# Altium PCB CM4-Tower.PcbDoc (part 2 of 10) (continued)
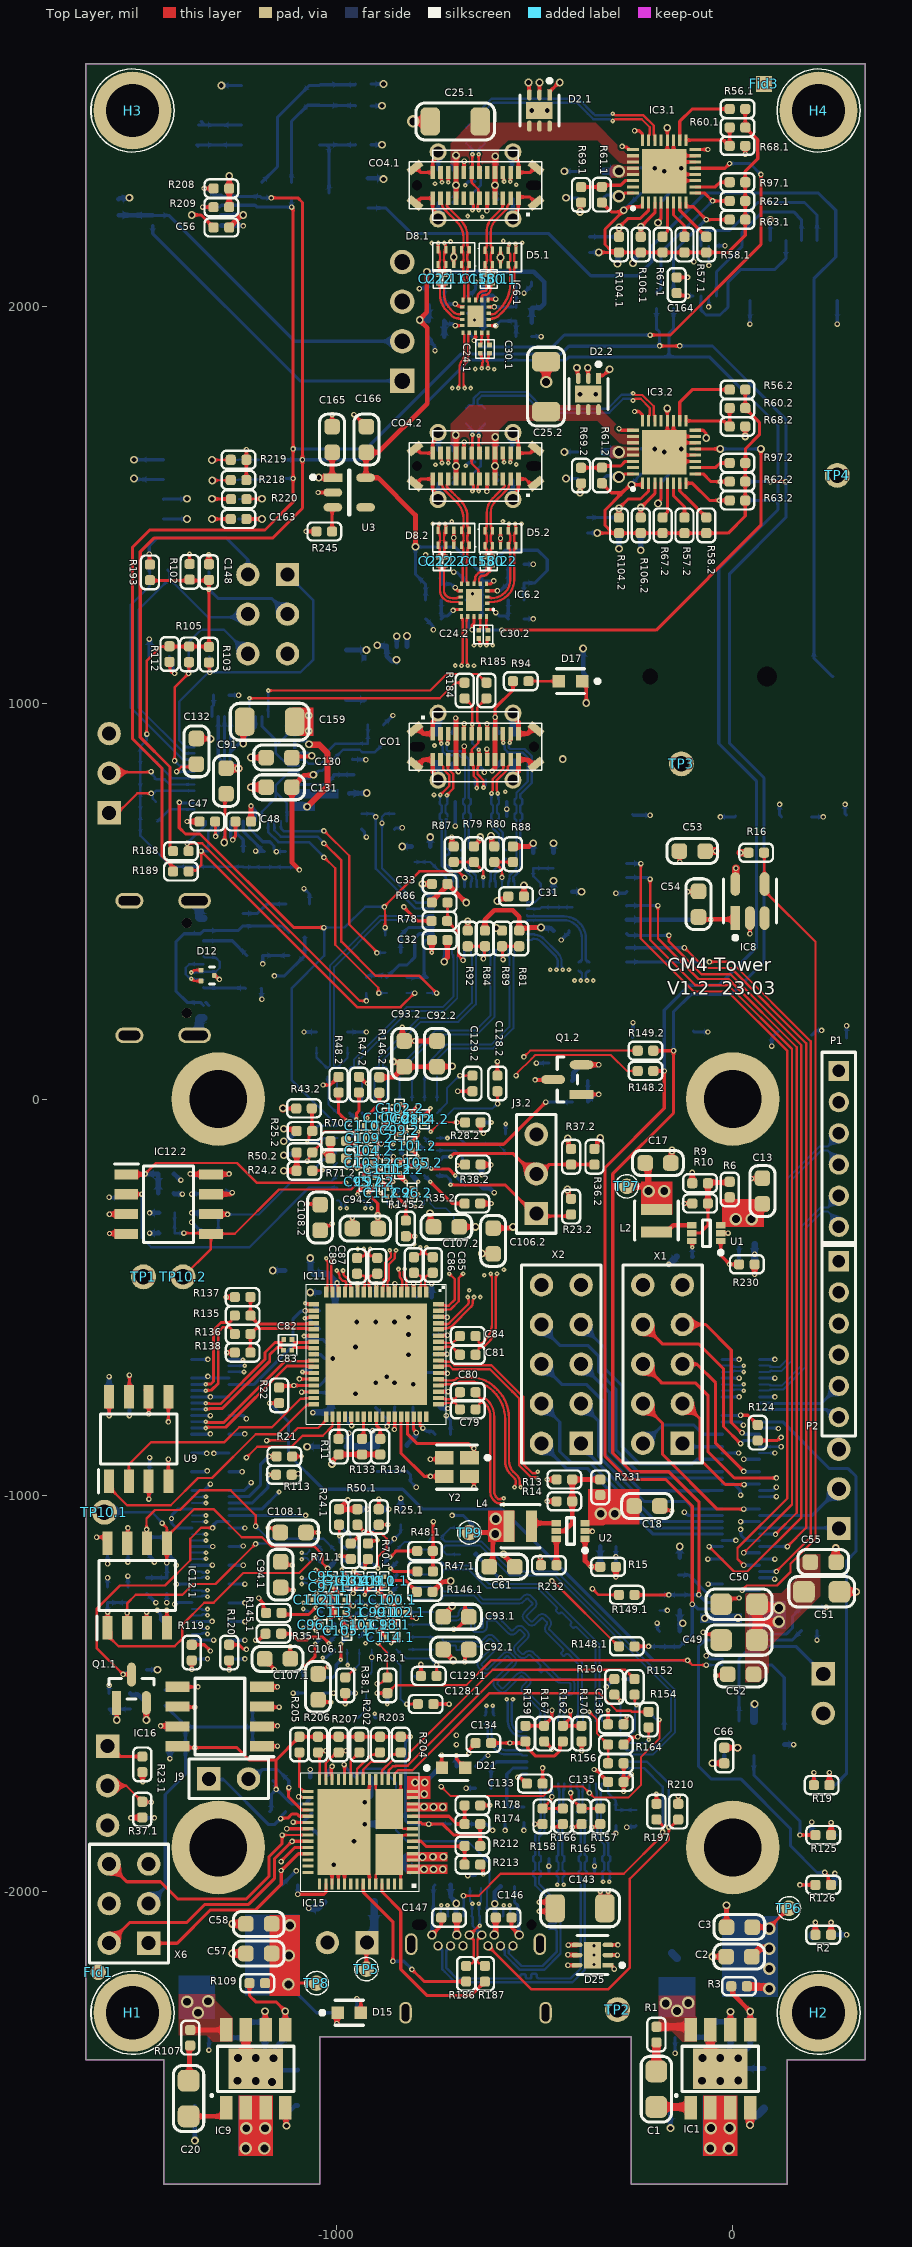
[diagram p0: Top Layer view]
## Footprints (in the part's own frame and the unit in brackets; to place one, negate y for a bottom-side part, rotate by r counter-clockwise, add the part's x,y. Pads: shape width x height; smd on the part's side, far side on the other; paste and mask are expansions set on the pad) (continued)
LED_0603 [mm] "SMD Mono-color Chip LED, body 1.6x0.8mm"
  rect 0.8x0.8 smd paste+0 mask+0: 1(-0.75,0) 2(0.75,0)
  silkscreen extent -1.85,-0.8 0.9,0.8, body extent -0.8,-0.4 0.8,0.4, height 1
NRH2410 [mm]
  rect 0.7x2 smd paste+0 mask+0: 1(-0.725,0) 2(0.725,0)
  silkscreen extent -1.25,-1.4 1.25,1.4, body extent -1.35,-1.35 1.35,1.35, height 0.25
PCF85063AT_SOIC_8 [mil]
  rect 74.98x22.36 smd paste+0 mask+0: 1(-98.46,75)
  rrect100% 74.98x22.36 smd paste+0 mask+0: 2(-98.46,25) 3(-98.46,-25) 4(-98.46,-75) 5(98.46,-75) 6(98.46,-25) 7(98.46,25) 8(98.46,75)
  silkscreen extent -163,-96 41,96, body extent -118,-96 118,96, height 69
PLS-2-3D [mm] "Connector; Header; 2 Position"
  rect 1.5x1.5 hole 0.9: 1(0,0)
  round 1.5 hole 0.9: 2(2.54,0)
  silkscreen extent -1.27,-1.27 3.81,1.27, body extent -1.27,-1.27 3.81,1.27, height 8.44
PLS-3-3D [mm] "Connector; Header; 3 Position"
  rect 1.5x1.5 hole 0.9: 1(0,0)
  round 1.5 hole 0.9: 2(2.54,0) 3(5.08,0)
  silkscreen extent -1.27,-1.27 6.35,1.27, body extent -1.27,-1.27 6.35,1.27, height 8.44
PUSB3FA2Z_DFN_2510_10 [mm]
  rect 0.2x0.475 smd: 1(-1,-0.475) 2(-0.5,-0.475) 3(0,-0.475) 4(0.5,-0.475) 5(1,-0.475) 6(1,0.475) 7(0.5,0.475) 8(0,0.475) 9(-0.5,0.475) 10(-1,0.475)
  silkscreen extent -1.6,-0.92 1.35,0.92, body extent -1.25,-0.5 1.25,0.5, height 0.5
PXD-6 [mm] "Connector; Header; 3x2 Position"
  rect 1.5x1.5 hole 0.9: 1(0,0)
  round 1.5 hole 0.9: 2(0,2.54) 3(2.54,0) 4(2.54,2.54) 5(5.08,0) 6(5.08,2.54)
  silkscreen extent -1.27,-1.27 6.35,3.81
PXD-10 [mm] "Connector; Header; 5x2 Position"
  rect 1.5x1.5 hole 0.9: 1(-5.08,-1.27)
  round 1.5 hole 0.9: 2(-5.08,1.27) 3(-2.54,-1.27) 4(-2.54,1.27) 5(0,-1.27) 6(0,1.27) 7(2.54,-1.27) 8(2.54,1.27) 9(5.08,-1.27) 10(5.08,1.27)
  silkscreen extent -6.35,-2.54 6.35,2.54
R0402#1 [mm]
  rrect50% 0.65x0.65 smd: 1(-0.52,1.54) 2(0.48,1.54)
  silkscreen extent -1.1,0.96 1.06,2.12, body extent -0.52,1.3 0.48,1.8, height 0.4
R0402#2 [mm]
  rrect50% 0.65x0.65 smd: 1(-0.5,0) 2(0.5,0)
  silkscreen extent -1.08,-0.58 1.08,0.58, body extent -0.5,-0.24 0.5,0.26, height 0.4
RT9742GGJ5_SOT_23_5 [mil]
  rect 59.83x24.74 smd paste+0 mask+0: 1(-43.04,36.99)
  rrect100% 59.83x24.74 smd paste+0 mask+0: 2(-43.04,0) 3(-43.04,-36.99) 4(43.04,-36.99) 5(43.04,36.99)
  silkscreen extent -98,-67 55,67, body extent -55,-57 55,57, height 39
SM04B [mm]
  rect 0.6x1.55 smd: 1(-1.5,-4.575) 2(-0.5,-4.575) 3(0.5,-4.575) 4(1.5,-4.575)
  rect 1.2x1.8 smd: 5(-2.8,-0.7) 5(2.8,-0.7)
  silkscreen extent -3.5,-5.5 3.5,0.3, body extent -3,-4.95 3,0, height 2.96
SN74LVC1G07DBVT_SOT_23_5 [mm]
  rect 1.505x0.572 smd paste+0 mask+0: 1(-1.1,0.95)
  rrect100% 1.505x0.572 smd paste+0 mask+0: 2(-1.1,0) 3(-1.1,-0.95) 4(1.1,-0.95) 5(1.1,0.95)
  silkscreen extent -2.65,-1.7 1.4,1.7, body extent -1.4,-1.45 1.4,1.45, height 1.45
SN74LVC3G07DCUR_VSSOP_8 [mm] "SOP, 8-Leads, Body 2.4x2.1mm, Pitch 0.5mm, IPC Medium Density"
  rrect33% 0.8x0.3 smd: 1(-1.6,0.75) 2(-1.6,0.25) 3(-1.6,-0.25) 4(-1.6,-0.75) 5(1.6,-0.75) 6(1.6,-0.25) 7(1.6,0.25) 8(1.6,0.75)
  silkscreen extent -1.72,-1.05 0.8,1.57, body extent -1.56,-1 1.56,1, height 0.9
SOIC127P600X175-8N [mm]
  rect 1.525x0.65 smd: 1(-2.712,1.905) 2(-2.712,0.635) 3(-2.712,-0.635) 4(-2.712,-1.905) 5(2.712,-1.905) 6(2.712,-0.635) 7(2.712,0.635) 8(2.712,1.905)
  silkscreen extent -3.47,-2.45 1.6,2.58, body extent -3,-2.45 3,2.45, height 1.75
SRN6045TA [mm]
  rect 2.35x5.1 smd: 1(-2.075,0) 2(2.075,0)
  silkscreen extent -3.5,-3.25 3.5,3.25, body extent -3.15,-3 3.15,3, height 4.5
SST25PF020B-80-4C-SAE_SOIC_8 [mm]
  rect 1.525x0.65 smd: 1(-2.712,1.905) 2(-2.712,0.635) 3(-2.712,-0.635) 4(-2.712,-1.905) 5(2.712,-1.905) 6(2.712,-0.635) 7(2.712,0.635) 8(2.712,1.905)
  silkscreen extent -3.47,-2.45 1.6,2.58, body extent -3,-2.45 3,2.45, height 1.75
STDP2600_BGA-81 [mm]
  round 0.45 smd: A1(-3.2,3.2) A2(-2.4,3.2) A3(-1.6,3.2) A4(-0.8,3.2) A5(0,3.2) A6(0.8,3.2) A7(1.6,3.2) A8(2.4,3.2) A9(3.2,3.2) B1(-3.2,2.4) B2(-2.4,2.4) B3(-1.6,2.4) B4(-0.8,2.4) B5(0,2.4) B6(0.8,2.4) B7(1.6,2.4) B8(2.4,2.4) B9(3.2,2.4) C1(-3.2,1.6) C2(-2.4,1.6) C3(-1.6,1.6) C4(-0.8,1.6) C5(0,1.6) C6(0.8,1.6) C7(1.6,1.6) C8(2.4,1.6) C9(3.2,1.6) D1(-3.2,0.8) D2(-2.4,0.8) D3(-1.6,0.8) D4(-0.8,0.8) D5(0,0.8) D6(0.8,0.8) D7(1.6,0.8) D8(2.4,0.8) D9(3.2,0.8) E1(-3.2,0) E2(-2.4,0) E3(-1.6,0) E4(-0.8,0) E5(0,0) E6(0.8,0) E7(1.6,0) E8(2.4,0) E9(3.2,0) F1(-3.2,-0.8) F2(-2.4,-0.8) F3(-1.6,-0.8) F4(-0.8,-0.8) F5(0,-0.8) F6(0.8,-0.8) F7(1.6,-0.8) F8(2.4,-0.8) F9(3.2,-0.8) G1(-3.2,-1.6) G2(-2.4,-1.6) G3(-1.6,-1.6) G4(-0.8,-1.6) G5(0,-1.6) G6(0.8,-1.6) G7(1.6,-1.6) G8(2.4,-1.6) G9(3.2,-1.6) H1(-3.2,-2.4) H2(-2.4,-2.4) H3(-1.6,-2.4) H4(-0.8,-2.4) H5(0,-2.4) H6(0.8,-2.4) H7(1.6,-2.4) H8(2.4,-2.4) H9(3.2,-2.4) J1(-3.2,-3.2) J2(-2.4,-3.2) J3(-1.6,-3.2) J4(-0.8,-3.2) J5(0,-3.2) J6(0.8,-3.2) J7(1.6,-3.2) J8(2.4,-3.2) J9(3.2,-3.2)
  silkscreen extent -4.3,-4 4,4.3, body extent -4,-4 4,4, height 1.4
TP_1MM [mm]
  round 1.6 hole 1: 1(0,0)
  body extent -1.27,-1.27 1.27,1.27, height 4.89
TP_1mm_SMD [mm]
  round 1 smd paste-1: 1(0,0)
  silkscreen extent -0.75,-0.75 0.75,0.75
TPD2EUSB30DRTR_SOT-3 [mm]
  rrect33% 0.3x0.3 smd: 1(-0.425,0.35) 2(-0.425,-0.35) 3(0.425,0)
  silkscreen extent 0.13,-0.55 0.43,0.55, body extent -0.5,-0.5 0.5,0.5, height 0.5
TPS7A20_SOT_23_5 [mm]
  rect 1.205x0.532 smd paste+0 mask+0: 1(-1.05,0.95)
  rrect100% 1.205x0.532 smd paste+0 mask+0: 2(-1.05,0) 3(-1.05,-0.95) 4(1.05,-0.95) 5(1.05,0.95)
  silkscreen extent -2.45,-1.45 0.05,1.45, body extent -1.75,-1.55 1.75,1.55, height 0.25
TPS25814RSMR_VQFN_32 [mm]
  rect 0.75x0.2 smd: 1(-2,1.4) 2(-2,1) 3(-2,0.6) 4(-2,0.2) 5(-2,-0.2) 6(-2,-0.6) 7(-2,-1) 8(-2,-1.4) 17(2,-1.4) 18(2,-1) 19(2,-0.6) 20(2,-0.2) 21(2,0.2) 22(2,0.6) 23(2,1) 24(2,1.4)
  rect 0.2x0.75 smd: 9(-1.4,-2) 10(-1,-2) 11(-0.6,-2) 12(-0.2,-2) 13(0.2,-2) 14(0.6,-2) 15(1,-2) 16(1.4,-2) 25(1.4,2) 26(1,2) 27(0.6,2) 28(0.2,2) 29(-0.2,2) 30(-0.6,2) 31(-1,2) 32(-1.4,2)
  rect 2.85x2.85 smd: 33(0,0)
  silkscreen extent -2.47,1.9 -2.28,2.1, body extent -2,-2 2,2, height 1
TPS65987D_VQFN-56 [mm]
  rect 0.7x0.2 smd: 1(-3.35,2.6) 2(-3.35,2.2) 3(-3.35,1.8) 4(-3.35,1.4) 5(-3.35,1) 6(-3.35,0.6) 7(-3.35,0.2) 8(-3.35,-0.2) 9(-3.35,-0.6) 10(-3.35,-1) 11(-3.35,-1.4) 12(-3.35,-1.8) 13(-3.35,-2.2) 14(-3.35,-2.6) 29(3.35,-2.6) 30(3.35,-2.2) 31(3.35,-1.8) 32(3.35,-1.4) 33(3.35,-1) 34(3.35,-0.6) 35(3.35,-0.2) 36(3.35,0.2) 37(3.35,0.6) 38(3.35,1) 39(3.35,1.4) 40(3.35,1.8) 41(3.35,2.2) 42(3.35,2.6)
  rect 0.2x0.7 smd: 15(-2.6,-3.35) 16(-2.2,-3.35) 17(-1.8,-3.35) 18(-1.4,-3.35) 19(-1,-3.35) 20(-0.6,-3.35) 21(-0.2,-3.35) 22(0.2,-3.35) 23(0.6,-3.35) 24(1,-3.35) 25(1.4,-3.35) 26(1.8,-3.35) 27(2.2,-3.35) 28(2.6,-3.35) 43(2.6,3.35) 44(2.2,3.35) 45(1.8,3.35) 46(1.4,3.35) 47(1,3.35) 48(0.6,3.35) 49(0.2,3.35) 50(-0.2,3.35) 51(-0.6,3.35) 52(-1,3.35) 53(-1.4,3.35) 54(-1.8,3.35) 55(-2.2,3.35) 56(-2.6,3.35)
  rect 1.75x2.6 smd: 57(-1.875,1.45)
  rect 1.75x2.55 smd: 58(-1.875,-1.475)
  rect 3.4x5.5 smd: 59(1.05,0)
  Top Layer region: -3,-1.9 -3.2,-1.9 -3.2,-1.3 -3,-1.3
  Top Layer region: -3,-2.7 -3.2,-2.7 -3.2,-2.1 -3,-2.1
  Top Layer region: -3,1.3 -3.2,1.3 -3.2,1.9 -3,1.9
  Top Layer region: -3,2.1 -3.2,2.1 -3.2,2.7 -3,2.7
  silkscreen extent -3.8,-3.8 3.8,3.8, body extent -3.5,-3.5 3.5,3.5, height 1
TUSB542_X2QFN_18 [mm]
  rect 0.3x0.2 smd: 1(-0.85,0.6) 2(-0.85,0.2) 3(-0.85,-0.2) 4(-0.85,-0.6) 10(0.85,-0.6) 11(0.85,-0.2) 12(0.85,0.2) 13(0.85,0.6)
  rect 0.2x0.3 smd: 5(-0.8,-1.05) 6(-0.4,-1.05) 7(0,-1.05) 8(0.4,-1.05) 9(0.8,-1.05) 14(0.8,1.05) 15(0.4,1.05) 16(0,1.05) 17(-0.4,1.05) 18(-0.8,1.05)
  rect 1x1.4 smd: 19(0,0)
  silkscreen extent -1.26,0.59 -1.22,0.63, body extent -1,-1.2 1,1.2, height 0.41
TUSB1046_WQFN_40 [mm]
  rect 0.8x0.2 smd: 1(-3,1.4) 2(-3,1) 3(-3,0.6) 4(-3,0.2) 5(-3,-0.2) 6(-3,-0.6) 7(-3,-1) 8(-3,-1.4) 21(3,-1.4) 22(3,-1) 23(3,-0.6) 24(3,-0.2) 25(3,0.2) 26(3,0.6) 27(3,1) 28(3,1.4)
  rect 0.2x0.8 smd: 9(-2.2,-2) 10(-1.8,-2) 11(-1.4,-2) 12(-1,-2) 13(-0.6,-2) 14(-0.2,-2) 15(0.2,-2) 16(0.6,-2) 17(1,-2) 18(1.4,-2) 19(1.8,-2) 20(2.2,-2) 29(2.2,2) 30(1.8,2) 31(1.4,2) 32(1,2) 33(0.6,2) 34(0.2,2) 35(-0.2,2) 36(-0.6,2) 37(-1,2) 38(-1.4,2) 39(-1.8,2) 40(-2.2,2)
  rect 4.8x2.8 smd: 41(0,0)
  silkscreen extent -3.5,1.9 -3.3,2.1, body extent -3,-2 3,2, height 0.8
TVS2200D_SON_6 [mm]
  rect 0.711x0.292 smd paste+0 mask+0: 1(-1.001,0.65)
  rrect100% 0.711x0.292 smd paste+0 mask+0: 2(-1.001,0) 3(-1.001,-0.65) 4(1.001,-0.65) 5(1.001,0) 6(1.001,0.65)
  rect 1.1x1.7 smd paste-1000 mask+0: 7(0,0)
  silkscreen extent -2.03,-1.25 1,1.25, body extent -1.61,-1.25 1.61,1.25, height 0.25
USB4056-03-A [mm]
  rect 0.3x0.9 smd: 1(-2.75,6.2) 2(-2.25,6.2) 3(-1.75,6.2) 4(-1.25,6.2) 5(-0.75,6.2) 6(-0.25,6.2) 7(0.25,6.2) 8(0.75,6.2) 9(1.25,6.2) 10(1.75,6.2) 11(2.25,6.2) 12(2.75,6.2)
  round 0.6 hole 0.4: 21(2.8,4.99) 22(2.4,4.29) 23(1.6,4.29) 24(1.2,4.99) 25(0.8,4.29) 26(0.4,4.99) 27(-0.4,4.99) 28(-0.8,4.29) 29(-1.2,4.99) 30(-1.6,4.29) 31(-2.4,4.29) 32(-2.8,4.99)
  round 0 hole 0.65 unplated: HOLE(-3.6,5.64)
  round 0 hole 0.65 slot 0.95 at 0 deg unplated: HOLE(3.6,5.64)
  oval 0.8x1.4 hole 0.5 slot 1.1 at 90 deg: SH(-4.49,0) SH(-4.13,4.4) SH(4.13,4.4) SH(4.49,0)
  silkscreen extent -5,-1.55 5,7.4, body extent -4.91,-2.53 4.94,7.34, height 3.33
USB4070-30-C [mm]
  round 0 hole 0.58 slot 1 at 0 deg unplated mask+0: 0(-3.75,0)
  round 0 hole 0.66 unplated mask+0: 0(3.75,0)
  rect 0.3x0.85 smd: 1(-2.75,0.83) 2(-2.25,0.83) 3(-1.75,0.83) 4(-1.25,0.83) 5(-0.75,0.83) 6(-0.25,0.83) 7(0.25,0.83) 8(0.75,0.83) 9(1.25,0.83) 10(1.75,0.83) 11(2.25,0.83) 12(2.75,0.83) 21(2.75,-0.83) 22(2.25,-0.83) 23(1.75,-0.83) 24(1.25,-0.83) 25(0.75,-0.83) 26(0.25,-0.83) 27(-0.25,-0.83) 28(-0.75,-0.83) 29(-1.25,-0.83) 30(-1.75,-0.83) 31(-2.25,-0.83) 32(-2.75,-0.83)
  rect 0.5x1.03 smd rot 50: SH(-3.88,-1.135) SH(3.88,1.135)
  rect 0.5x1.03 smd rot 130: SH(-3.88,1.135) SH(3.88,-1.135)
  round 1.1 hole 0.7: SH(-2.4,-2.15) SH(-2.4,2.15) SH(2.4,-2.15) SH(2.4,2.15)
  silkscreen extent -4.25,-2.25 4.25,2.25, body extent -4.44,-2.27 4.43,2.28, height 10.54
USB4105-GF-A [mm] "USB TYPE C VERTICAL PLUG"
  rect 0.6x1.14 smd: A1/B12(-3.2,3.605) A4/B9(-2.4,3.605) A9/B4(2.4,3.605) A12/B1(3.2,3.605)
  rect 0.3x1.14 smd: A5(-1.25,3.605) A6(-0.25,3.605) A7(0.25,3.605) A8(1.25,3.605) B5(1.75,3.605) B6(0.75,3.605) B7(-0.75,3.605) B8(-1.75,3.605)
  round 0.65 hole 0.65 unplated: MH1(-2.89,2.535) MH2(2.89,2.535)
  oval 1x1.8 hole 0.6 slot 1.4 at 90 deg: Shell(-4.32,-1.145) Shell(4.32,-1.145)
  oval 1x2.1 hole 0.6 slot 1.7 at 90 deg: Shell(-4.32,3.035) Shell(4.32,3.035)
  silkscreen extent -4.47,-3.76 4.47,1.7, body extent -4.79,-3.76 4.79,3.95, height 3.33
VL805-Q6_QFN-68G [mm]
  rect 0.69x0.28 smd: 1(-4,3.2) 2(-4,2.8) 3(-4,2.4) 4(-4,2) 5(-4,1.6) 6(-4,1.2) 7(-4,0.8) 8(-4,0.4) 9(-4,0) 10(-4,-0.4) 11(-4,-0.8) 12(-4,-1.2) 13(-4,-1.6) 14(-4,-2) 15(-4,-2.4) 16(-4,-2.8) 17(-4,-3.2) 35(4,-3.2) 36(4,-2.8) 37(4,-2.4) 38(4,-2) 39(4,-1.6) 40(4,-1.2) 41(4,-0.8) 42(4,-0.4) 43(4,0) 44(4,0.4) 45(4,0.8) 46(4,1.2) 47(4,1.6) 48(4,2) 49(4,2.4) 50(4,2.8) 51(4,3.2)
  rect 0.28x0.69 smd: 18(-3.2,-4) 19(-2.8,-4) 20(-2.4,-4) 21(-2,-4) 22(-1.6,-4) 23(-1.2,-4) 24(-0.8,-4) 25(-0.4,-4) 26(0,-4) 27(0.4,-4) 28(0.8,-4) 29(1.2,-4) 30(1.6,-4) 31(2,-4) 32(2.4,-4) 33(2.8,-4) 34(3.2,-4) 52(3.2,4) 53(2.8,4) 54(2.4,4) 55(2,4) 56(1.6,4) 57(1.2,4) 58(0.8,4) 59(0.4,4) 60(0,4) 61(-0.4,4) 62(-0.8,4) 63(-1.2,4) 64(-1.6,4) 65(-2,4) 66(-2.4,4) 67(-2.8,4) 68(-3.2,4)
  rect 6.5x6.5 smd: 69(0,0)
  silkscreen extent -4.5,-4.5 4.5,4.5, body extent -4,-4 4,4, height 1
W25X10CLSNIG_SOIC_8 [mm]
  rect 1.525x0.65 smd: 1(-2.712,1.905) 2(-2.712,0.635) 3(-2.712,-0.635) 4(-2.712,-1.905) 5(2.712,-1.905) 6(2.712,-0.635) 7(2.712,0.635) 8(2.712,1.905)
  silkscreen extent -3.47,-2.45 1.6,2.58, body extent -3,-2.45 3,2.45, height 1.75

## Part data
B1: library part BC501SM, "BATTERY HOLDER COIN 12MM SMD", Case/Package=SMD/SMT, Manufacturer="Memory Protection Devices", Max Operating Temperature=85°C, Min Operating Temperature=-40°C, Package Quantity=200, Supplier Part Number 1=BC501SM-ND, Category=Uncategorized, ComponentLink1Description=https://datasheet.ciiva.com/4/bc501sm-datasheet-4073.pdf?src-supplier=Digi-Key, ComponentLink1URL=https://datasheet.ciiva.com/4/bc501sm-datasheet-4073.pdf?src-supplier=Digi-Key, Manufacturer Part Number=BC501SM, Mount="Surface Mount,PCB", Number of Cells=1, Pricing 1="1=1.03000, 10=0.87200, 50=0.76400, 100=0.72030, 250=0.66312, 500=0.62272, 1000=0.58232, 2500=0.53183, 5000=0.49144 (USD)", RoHS=Yes, Stock 1=4069, Supplier 1=Digi-Key, Termination=SMD/SMT
C1 C5 C20 C63: library part 08055D104KAT2A, "CAP CER 0.1uF 10% 50V X5R 0805", Manufacturer="KYOCERA AVX", Temperature Coefficient=X5R, Tolerance=±10%, Voltage - Rated=50V, check=ok, Manufacturer Part Number=08055D104KAT2A
C2 C3 C8 C13 C17 C18 C52 C53 C54 C57 C58 C61 C68 C91 C92.1 C92.2 C93.1 C93.2 C94.1 C94.2 C106.1 C106.2 C107.1 C107.2 C108.1 C108.2 C127.1 C127.2 C130 C131 C132 C151 C152 C155.1 C155.2 C156.1 C156.2 C157.1 C157.2: library part 0603ZD106KAT2A, "CAP CER 10uF 10% 10V X5R 0603", Manufacturer="KYOCERA AVX", Temperature Coefficient=X5R, Tolerance=±10%, Voltage - Rated=10V, Manufacturer Part Number=0603ZD106KAT2A
C4 C25.1 C25.2 C37 C46 C62 C143 C159 C161: library part 12065D106KAT4A, "CAP CER  10uF 10% 50V X5R 1206", Manufacturer="KYOCERA AVX", Temperature Coefficient=X5R, Tolerance=±10%, Voltage - Rated=50V, check=ok, Manufacturer Part Number=12065D106KAT4A
C6: library part 0402ZD102KAT2A, "CAP CER 1nF 10% 10V X5R 0402", Manufacturer="KYOCERA AVX", Operating Temperature="-55°C ~ 85°C", Package / Case="0402 (1005 Metric)", Temperature Coefficient=X5R, Tolerance=±10%, Voltage - Rated=10V, check=ok, Manufacturer Part Number=0402ZD102KAT2A
C7: library part 0402ZC122JAT2A, "CAP CER  1.2nF 10% 10V X7R 0402", Manufacturer="KYOCERA AVX", Operating Temperature="-55°C ~ 125°C", Package / Case="0402 (1005 Metric)", Temperature Coefficient=X7R, Tolerance=±10%, Voltage - Rated=10V, check=ok, Manufacturer Part Number=0402ZC122JAT2A
C9 C55 C69 C165 C166: library part 0201ZD105MAT2A, "CAP CER 1uF 20% 10V X5R 0603", Manufacturer="KYOCERA AVX", Tolerance=20%, Manufacturer Part Number=0201ZD105MAT2A
C10 C11 C12 C14 C15 C23.1 C23.2 C31 C32 C33 C34 C56 C59 C60 C66 C67 C70 C71 C72 C73 C74 C75 C76 C77 C78 C79 C80 C81 C84 C85 C86 C87 C89 C117.1 C117.2 C126.1 C126.2 C133 C134 C135 C136 C148 C149 C160 C162 C163 C164: library part 04023D104KAT2A, "CAP CER  0.1uF 10% 25V X5R 0402", Manufacturer="AVX Corporation", Temperature Coefficient=X5R, Tolerance=±10%, Voltage - Rated=25V, Manufacturer Part Number=04023D104KAT2A
C16 C19: library part 0402ZC330KAT2A, "CAP CER 33pF 10% 10V X7R 0402", Manufacturer="KYOCERA AVX", Operating Temperature="-55°C ~ 125°C", Package / Case="0402 (1005 Metric)", Temperature Coefficient=X7R, Tolerance=±10%, Voltage - Rated=10V, check=ok, Manufacturer Part Number=0402ZC330KAT2A
C21.1 C21.2 C22.1 C22.2 C24.1 C24.2 C30.1 C30.2 C35 C36 C42 C43 C44 C45 C82 C83 C95.1 C95.2 C96.1 C96.2 C97.1 C97.2 C98.1 C98.2 C99.1 C99.2 C100.1 C100.2 C101.1 C101.2 C102.1 C102.2 C103.1 C103.2 C104.1 C104.2 C105.1 C105.2 C109.1 C109.2 C110.1 C110.2 C111.1 C111.2 C112.1 C112.2 C113.1 C113.2 C114.1 C114.2 C115.1 C115.2 C116.1 C116.2 C118.1 C118.2 C119.1 C119.2 C120.1 C120.2 C121.1 C121.2 C122.1 C122.2 C123.1 C123.2 C124.1 C124.2 C125.1 C125.2 C137 C138 C139 C140 C141 C142 C150.1 C150.2 C158.1 C158.2: library part 02016D104KAT, "CAP CER  0.1uF 10% 6.3V X5R 0201", Capacitance=100nF, Manufacturer="AVX Corporation", Operating Temperature="-55°C ~ 85°C", Package / Case=0201, Temperature Coefficient=X5R, Tolerance=±10%, Voltage - Rated=6.3V, Category=Capacitors, Manufacturer Part Number=02016D104KAT, Mounting Type="Surface Mount, MLCC", Supplier=Digi-Key
C26.1 C26.2 C27.1 C27.2 C28.1 C28.2 C29.1 C29.2 C38 C39 C40 C41 C144 C145 C146 C147: library part 04025C103JAT2A, "CAP CER 10nF 5% 50V X7R 0402", Manufacturer="KYOCERA AVX", Operating Temperature="-55°C ~ 125°C", Package / Case="0402 (1005 Metric)", Temperature Coefficient=X7R, Tolerance=±5%, Voltage - Rated=50V, Manufacturer Part Number=04025C103JAT2A
C47 C48 C153 C154: library part 04023A221JAT4A, "CAP CER  220pF 5% 25V NP0 0402", Manufacturer="KYOCERA AVX", Operating Temperature="-55°C ~ 125°C", Package / Case=0402, Temperature Coefficient=NP0, Tolerance=±5%, Voltage - Rated=25V, Manufacturer Part Number=04023A221JAT4A
C49 C50 C51: library part 0805ZD476MAT2A, "CAP CER  47uF 20% 10V X5R 0805", Manufacturer="KYOCERA AVX", Temperature Coefficient=X5R, Tolerance=±20%, Voltage - Rated=10V, Manufacturer Part Number=0805ZD476MAT2A
C64: library part 0402ZA560FAT2A, "CAP CER 56pF 1% 10V NP0 0402", Manufacturer="KYOCERA AVX", Operating Temperature="-55°C ~ 125°C", Package / Case="0402 (1005 Metric)", Temperature Coefficient=NP0, Tolerance=±1%, Voltage - Rated=10V, check=ok, Manufacturer Part Number=0402ZA560FAT2A
C65: library part 0402ZC272JAT2A, "CAP CER  2.7nF 10% 10V X7R 0402", Manufacturer="KYOCERA AVX", Operating Temperature="-55°C ~ 125°C", Package / Case="0402 (1005 Metric)", Temperature Coefficient=X7R, Tolerance=±10%, Voltage - Rated=10V, check=ok, Manufacturer Part Number=0402ZC272JAT2A
C88 C90: library part 04023A120KAT2A, "CAP CER 12pF 10% 25V NP0 0402", Capacitance=1uF, Manufacturer="KYOCERA AVX", Operating Temperature="-55°C ~ 85°C", Package / Case="0402 (1005 Metric)", Temperature Coefficient=NP0, Tolerance=±10%, Voltage - Rated=25V, Manufacturer Part Number=04023A120KAT2A
C128.1 C128.2 C129.1 C129.2: library part 04023A220KAT2A, "CAP CER 22pF 10% 25V NP0 0402", Manufacturer="KYOCERA AVX", Operating Temperature="-55°C ~ 125°C", Package / Case="0402 (1005 Metric)", Temperature Coefficient=NP0, Tolerance=±10%, Voltage - Rated=25V, Manufacturer Part Number=04023A220KAT2A
CO1 CO4.1 CO4.2: "24 Position 20 VDC USB Type C Horizontal USB 3.1 Receptacle Connector", Flammability Rating="UL94 V-0", Insulation Color=Black, Manufacturer="Global Connector Technology", Max Operating Temperature=85°C, Min Operating Temperature=-40°C, Part Number=CO0021, Supplier Part Number 1=2784985, Category="USB Connectors", ComponentLink1Description=http://www.farnell.com/datasheets/2342947.pdf?src-supplier=Farnell, ComponentLink1URL=http://www.farnell.com/datasheets/2342947.pdf?src-supplier=Farnell, ComponentLink2Description=http://www.farnell.com/cad/2113628.pdf?src-supplier=Element14, ComponentLink2URL=http://www.farnell.com/cad/2113628.pdf?src-supplier=Element14, ComponentLink3Description=http://www.farnell.com/datasheets/2342947.pdf?src-supplier=Newark, ComponentLink3URL=http://www.farnell.com/datasheets/2342947.pdf?src-supplier=Newark, Connector Type=USB, Contact Material="Copper Alloy", Contact Plating=Gold, Gender=Receptacle, ID=16, Lead Free="Lead Free", ManfactPart=USB4070-30-C, Manufacturer Part Number=USB4070-30-C, Mating Cycles=10000, Mount="Surface Mount,Through Hole,Vertical", Number of Contacts=24, Number of Ports=1, Orientation=Vertical, Packaging="Tape and Reel", Pricing 1="1=3.37000, 10=2.90000, 30=2.83000, 80=2.69000, 200=2.64000 (GBP)", Reach SVHC Compliant=Yes, RefVal=USB4070, RoHS=No, Series=USB4070, Shielding=Shielded, Stock 1=87, Supplier 1=Farnell, Termination=Solder, USB Standard="USB 3.1"
CO3: library part 693071030811, "Micro Sd Card, Push-Push, 8Pos, Smt Rohs Compliant: Yes", Manufacturer="Wurth Electronics", Part Number=CO0027, Supplier Part Number 1=732-693071030811CT-ND, ComponentLink1Description=https://www.we-online.com/catalog/datasheet/693071030811.pdf?src-supplier=Digi-Key, ComponentLink1URL=https://www.we-online.com/catalog/datasheet/693071030811.pdf?src-supplier=Digi-Key, ID=24, ManfactPart=693071030811, Manufacturer Part Number=693071030811, Pricing 1="1=4.01000, 25=3.55000, 100=3.28000, 250=3.01000 (USD)", RefVal=µSD-Card, RoHS=No, Stock 1=3193, Supplier 1=Digi-Key
CO5: "24 Position Hybrid Top Mount USB Type C 3.2 Gen Receptacle", Manufacturer="Global Connector Technology", Part Number=CO0030, Supplier Part Number 1=3777667, Category=Connectors, ID=29, ManfactPart=USB4056-03-A, Manufacturer Part Number=USB4056-03-A, Pricing 1="1000=0.49400, 5000=0.47700, 10000=0.45400, 20000=0.44500 (EUR)", RefVal=USB4056, RoHS=No, Stock 1=1000, Supplier 1=Farnell
D1 D10 D11 D13 D14 D15 D17 D21: library part LED_SMD_0603_GREEN, "LED Uni-Color Yellow Green 574nm 2-Pin Chip 0603(1608Metric) T/R", Case Code (Imperial)=0603, Case Code (Metric)=1608, Color=Green,Yellow, Forward Current=20mA, Forward Voltage=2V, Manufacturer="Vishay Semiconductors", Manufacturer Part Number=VLMG1300-GS08, Max Operating Temperature=85°C, Min Operating Temperature=-35°C, Package Quantity=1, Power Dissipation=75mW, Reverse Voltage=5V, Supplier Part Number 1=2251461, Case/Package=0603, Category=LEDs, ComponentLink1Description=https://datasheet.ciiva.com/8028/vlmo1300-8028023.pdf?src-supplier=Element14, ComponentLink1URL=https://datasheet.ciiva.com/8028/vlmo1300-8028023.pdf?src-supplier=Element14, ComponentLink2Description=https://datasheet.ciiva.com/2114/vlmo1300-2114971.pdf?src-supplier=Digi-Key, ComponentLink2URL=https://datasheet.ciiva.com/2114/vlmo1300-2114971.pdf?src-supplier=Digi-Key, ComponentLink3Description=https://datasheet.ciiva.com/26322/vlmo1300-26322139.pdf?src-supplier=Element14, ComponentLink3URL=https://datasheet.ciiva.com/26322/vlmo1300-26322139.pdf?src-supplier=Element14, ComponentLink4Description=https://datasheet.ciiva.com/2114/vlmo1300-2114972.pdf?src-supplier=Digi-Key, ComponentLink4URL=https://datasheet.ciiva.com/2114/vlmo1300-2114972.pdf?src-supplier=Digi-Key, ComponentLink5Description=https://datasheet.ciiva.com/26322/vlmo1300-26322140.pdf?src-supplier=Element14, ComponentLink5URL=https://datasheet.ciiva.com/26322/vlmo1300-26322140.pdf?src-supplier=Element14, ComponentLink6Description=https://datasheet.ciiva.com/2114/vlmo1300-2114973.pdf?src-supplier=Digi-Key, ComponentLink6URL=https://datasheet.ciiva.com/2114/vlmo1300-2114973.pdf?src-supplier=Digi-Key, ComponentLink7Description=https://datasheet.ciiva.com/9333/vlmo1300-9333390.pdf?src-supplier=Avnet, ComponentLink7URL=https://datasheet.ciiva.com/9333/vlmo1300-9333390.pdf?src-supplier=Avnet, Depth=0.8mm, Dominant Wavelength=571nm, Height=0.8mm, Illumination Color=Green,Yellow, Lead Free="Lead Free", Length=1.6mm, Lens Style=Rectangular,Clear, Luminous Intensity=35mcd, Mount="Surface Mount", Number of Elements=1, Number of LEDs=1, Number of Pins=2, Packaging="Tape and Reel", Power Rating=75mW, Pricing 1="5=0.31000, 10=0.23700, 100=0.10900, 500=0.09900 (EUR)", Radiation Hardening=No, RoHS=Yes, RoHS Compliant=Yes, Series=CHipLED, Stock 1=18400, Supplier 1=Farnell, Test Current=20mA, Viewing Angle=130°, Wavelength=571nm, Width=0.8mm
D2.1 D2.2 D24 D25: "22-V flat-clamp surge protection device 6-WSON -40 to 125", Ambient Temperature Range High=+125°C, Ambient Temperature Range Low=-40°C, Breakdown Voltage=24.6V, Capacitance=105pF, Clamping Voltage=27.7V, Manufacturer="Texas Instruments", Max Operating Temperature=125°C, Package=DRV0006A, Peak Pulse Current=40A, Reverse Standoff Voltage=22V, Supplier Part Number 1=595-TVS2200DRVR, Temperature="-40°C to +125°C", Automotive=No, Category=Diode, ComponentLink1Description=http://www.ti.com/lit/ds/symlink/tvs2200.pdf?src-supplier=Digi-Key, ComponentLink1URL=http://www.ti.com/lit/ds/symlink/tvs2200.pdf?src-supplier=Digi-Key, ComponentLink2Description=Datasheet, ComponentLink2URL=http://www.ti.com/lit/ds/symlink/tvs2200.pdf, ComponentLink3Description=http://www.ti.com/general/docs/suppproductinfo.tsp?distId=10&amp;gotoUrl=http%3A%2F%2Fwww.ti.com%2Flit%2Fgpn%2Ftvs2200&src-supplier=Digi-Key, ComponentLink3URL=http://www.ti.com/general/docs/suppproductinfo.tsp?distId=10&amp;gotoUrl=http%3A%2F%2Fwww.ti.com%2Flit%2Fgpn%2Ftvs2200&src-supplier=Digi-Key, Device Class L1="Circuit Protection", Device Class L2="ESD and Circuit Protection ICs", Device Class L3=unset, Digikey Description="UNIDIR PRECISION SURGE DIODE", Direction=Unidirectional, Height=0.8mm, Ipc Land Pattern Name=DFN200X200X75-6, Lead Free=Yes, Manufacturer Part Number=TVS2200DRVR, Min Operating Temperature=-40°C, Mount="Surface Mount", Mouser Description="Diode TVS Single Uni-Dir 22V 1.12KW 6-Pin WSON EP T/R", Number Of Channels=1, Number Of Circuits=1, Octopart=https://octopart.com/tvs2200drvr-texas+instruments-88217346, Packaging="Tape and Reel", Pricing 1="1=0.56000, 10=0.47800, 50=0.44600, 100=0.35700, 1000=0.21700, 10000=0.19700 (USD)", RoHS=TRUE, RoHS Compliant=Yes, Standoff Height=0mm, Supplier 1=Mouser, Temperature Range High=+125°C, Temperature Range Low=-40°C
D3.1 D3.2: "DIODE SCHOTTKY 100V 200MA SOD523", Capacitance=3pF, Forward Current=200mA, Manufacturer=STMicroelectronics, Max Junction Temp=+150°C, Max Repetitive Reverse Voltage=100V, Max Surge Forward Current=1A, Package=SOD-523, Peak Reverse Current=0.1uA, Temperature="to +150°C", Automotive=No, Category=Diode, ComponentLink2Description=Datasheet, ComponentLink2URL=https://www.st.com/resource/en/datasheet/bat41.pdf, Device Class L1="Discrete Semiconductors", Device Class L2=Diodes, Device Class L3="Schottky Diodes", Digikey Description="DIODE SCHOTTKY 100V 200MA SOD523", Height=0.7mm, Lead Free=Yes, Manufacturer Part Number=BAT41KFILM, Mouser Description="Schottky Diodes & Rectifiers schottky diode", Octopart=https://octopart.com/bat41kfilm-stmicroelectronics-658186, RoHS=TRUE, Temperature Range High=+150°C
D4.1 D4.2 D6 D12 D19: "Dual 0.7-pF, 5.5-V ±8-kV ESD protection diode with 5-A surge rating for USB 3.0 3-SOT-9X3 -40 to 85", Breakdown Voltage=9V, Capacitance=0.8pF, Case/Package=SOT, Clamping Voltage=8V, Manufacturer="Texas Instruments", Max Operating Temperature=85°C, Min Operating Temperature=-40°C, Package Quantity=1, Peak Pulse Current=1A, Peak Pulse Power=45W, Power Line Protection=Yes, Reverse Standoff Voltage=5.5V, Supplier Part Number 1=595-TPD2EUSB30DRTR, Test Current=1mA, Category="Integrated Circuits (ICs)", ComponentLink1Description=https://datasheet.ciiva.com/1611/tpd2eusb30-1611602.pdf?src-supplier=Newark, ComponentLink1URL=https://datasheet.ciiva.com/1611/tpd2eusb30-1611602.pdf?src-supplier=Newark, ComponentLink2Description=https://datasheet.ciiva.com/15134/getdatasheetpartid-202713-15134479.pdf?src-supplier=Verical, ComponentLink2URL=https://datasheet.ciiva.com/15134/getdatasheetpartid-202713-15134479.pdf?src-supplier=Verical, ComponentLink3Description=https://datasheet.ciiva.com/1504/1882087-1504248.pdf?src-supplier=Element14, ComponentLink3URL=https://datasheet.ciiva.com/1504/1882087-1504248.pdf?src-supplier=Element14, ComponentLink4Description=https://datasheet.ciiva.com/353/tpd2eusb30-353273.pdf?src-supplier=Digi-Key, ComponentLink4URL=https://datasheet.ciiva.com/353/tpd2eusb30-353273.pdf?src-supplier=Digi-Key, ComponentLink5Description=https://datasheet.ciiva.com/353/tpd2eusb30-353272.pdf?src-supplier=Digi-Key, ComponentLink5URL=https://datasheet.ciiva.com/353/tpd2eusb30-353272.pdf?src-supplier=Digi-Key, ComponentLink6Description=https://datasheet.ciiva.com/353/tpd2eusb30-353274.pdf?src-supplier=Digi-Key, ComponentLink6URL=https://datasheet.ciiva.com/353/tpd2eusb30-353274.pdf?src-supplier=Digi-Key, Depth=0.8mm, Direction=Bidirectional,Unidirectional, Element Configuration=Dual, ESD Protection=Yes, Height=0.45mm, Interface=USB, Lead Free="Lead Free", Length=1mm, Manufacturer Part Number=TPD2EUSB30DRTR, Min Breakdown Voltage=9V, Number of Bidirectional Channels=2, Number Of Channels=2, Number of Pins=3, Number of Unidirectional Channels=2, Packaging="Tape and Reel", Pricing 1="1=0.66000, 10=0.56100, 50=0.56000, 100=0.41900, 1000=0.25500, 10000=0.23100 (USD)", Radiation Hardening=No, Reach SVHC Compliant=Yes, RoHS=Yes, RoHS Compliant=Yes, Series=-, Supplier 1=Mouser, Width=0.85mm, Working Voltage=5.5V